# Allegro board WeChat_ZM_PART_20200601.brd (continued)
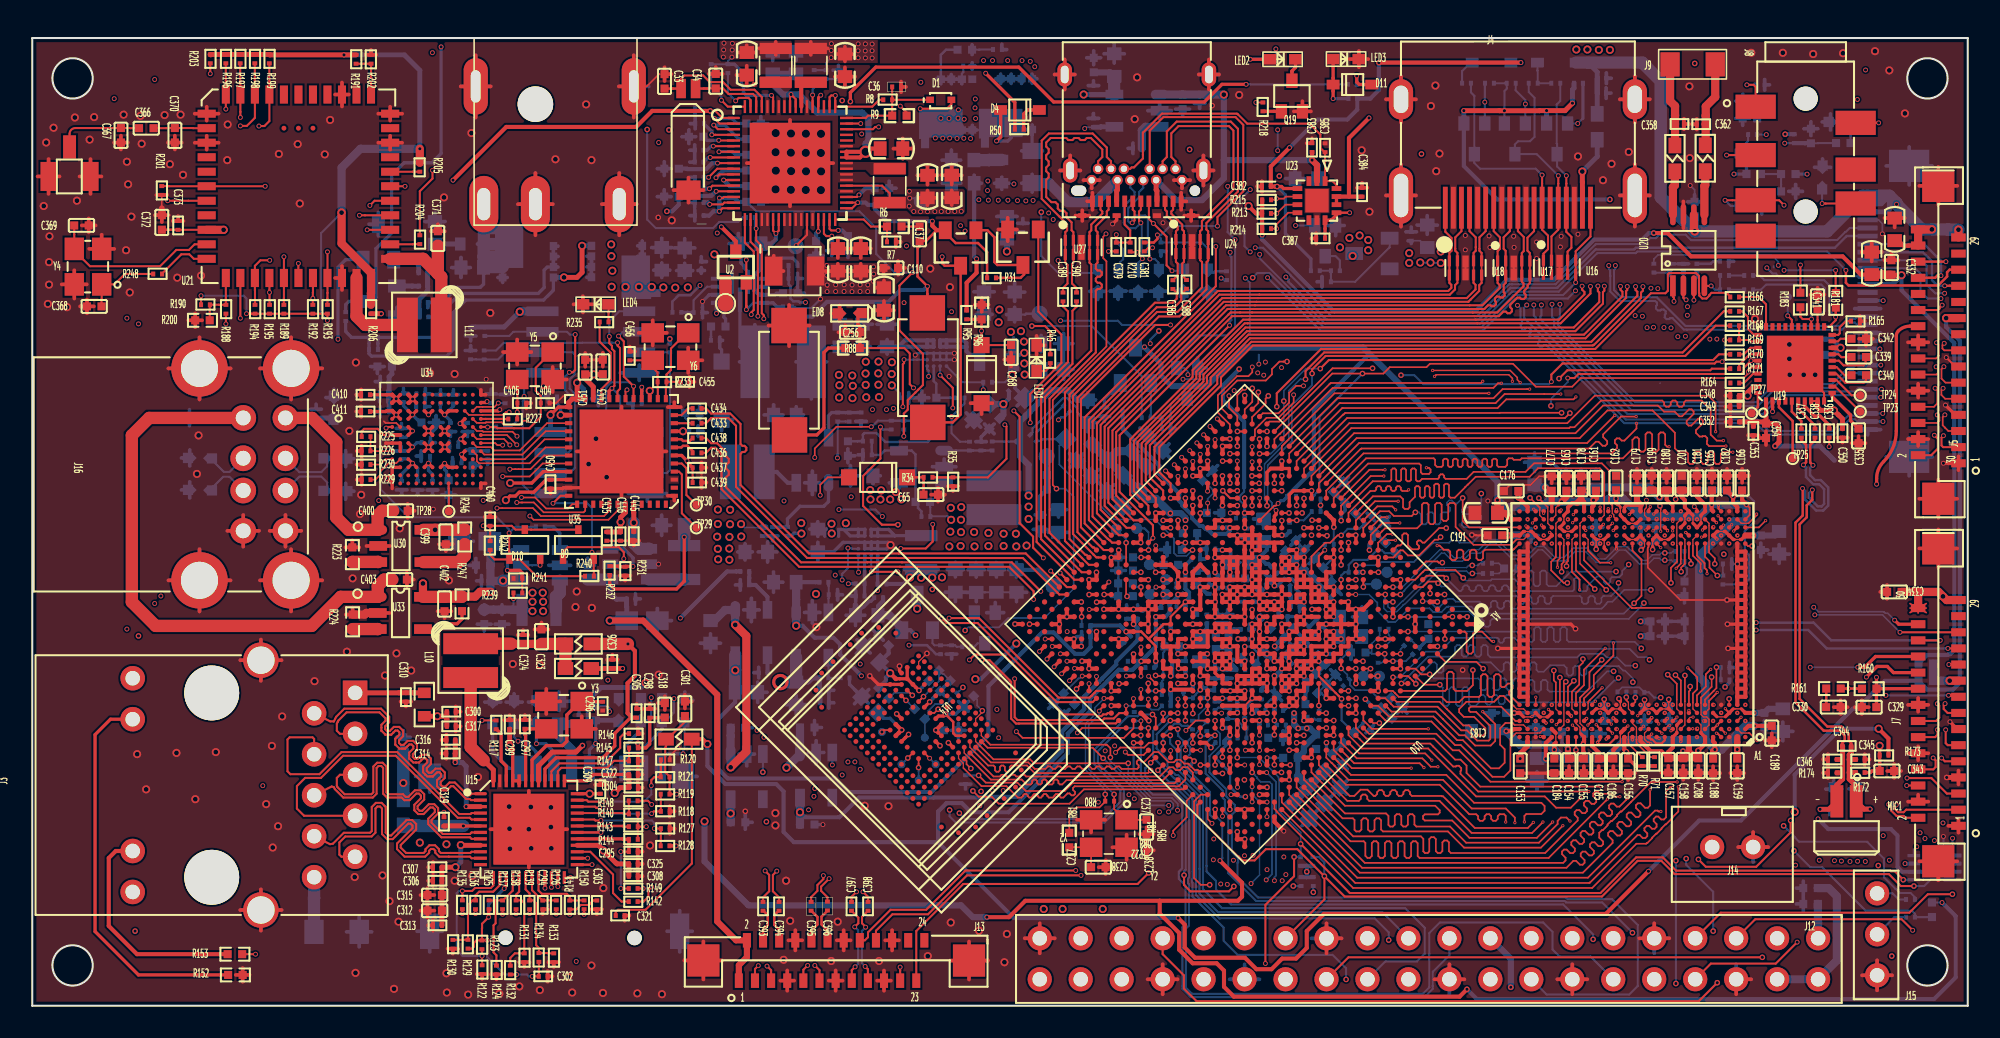
[diagram p0: board, top side]
## Routing (per net, layer and track width the routed paths; a pad name or vN(x,y) marks a point on that pad's centre or on a via; arc(x,y) is an arc through that point) (continued)
  BOTTOM w0.508: v5(43.59,23.62) U7.1 43.58,24.54 42.95,24.54 42.29,23.88 C59.1 ; C49.1 47.36,25.19 47.36,25.19 U5.1 v5(47.36,23.56) ; J12.1 110.72,5.19 110.7,5.2 C391.2 ; C253.1 43.3,16.73 43.3,16.73 U13.1 v5(43.3,14.78)
  vias: v5(47.68,29.93) v5(48.59,25.53) v5(49.55,29.88) v5(49.56,29.28) v5(50.01,39.11) v5(50.04,38.47) v5(50.02,37.71) v5(50.44,29.92) v5(50.84,39.07) v5(50.87,38.43) v5(50.85,37.67) v5(51.68,39.93) v5(51.66,39.2) v5(51.67,38.5) v5(51.71,37.73) v5(51.95,31.97) v5(51.97,31.39) v5(52.47,39.94) v5(52.45,39.21) v5(52.46,38.5) v5(52.5,37.73) v5(52.63,31.95) v5(52.59,31.39) v5(53.19,31.39) v5(53.28,39.17) v5(53.55,31.85) v5(53.89,31.4)
VCC5V0_TYPEC_EN: length 88
  TOP w0.102: v1(73.14,11.31) 72.87,11.58 U10.F31
  SIG1 w0.102: v1(48.13,12.15) 48.13,43.03 48.54,43.44 48.54,47.25 49.89,48.6 49.89,52.31 51.42,53.85 v1(51.42,54.05)
  SIG2 w0.102: v1(48.13,12.15) 48.64,12.15 49.99,10.8 68.65,10.8 68.93,11.08 72.92,11.08 v1(73.14,11.31) ; v1(51.42,54.05) 51.57,54.19 51.57,54.29 52.4,55.12 55.35,55.12 57.13,56.9 62.74,56.9 v1(65.25,54.39)
  BOTTOM w0.102: v1(65.25,54.39) 65.34,54.47 R212.1
  BOTTOM w0.305: U22.4 66.27,54.5 66.24,54.47 R212.1
VCC-WIFI-IO: length 51.7
  TOP w0.127: v1(13.29,42.91) 13.59,42.91 13.6,42.91 R194.1 R195.1 R189.1 R192.1 R193.1 v1(18.3,42.48) ; R190.2 v1(10.46,44.02)
  TOP w0.305: 11.06,58.96 R203.2 R196.2 R197.2 R198.2 R199.2 14.72,58.96 v1(19.33,58.96) R191.2
  TOP w0.508: R206.2 21,44.17 21,44.18 U21.22 21,45.44 19.18,47.26 v5(19.18,49.18) ; R205.1 v1(24.03,53.13)
  BOTTOM w0.127: v1(18.3,42.48) 17.91,42.88 17.91,47.91 v5(19.18,49.18) ; v1(13.29,42.91) 13.29,43.84 13.11,44.02 v1(10.46,44.02)
  BOTTOM w0.305: v1(19.33,58.96) 23.07,58.96 24.03,58 v1(24.03,53.13)
  BOTTOM w0.508: v5(19.18,49.18) 19.18,51.96 20.35,53.13 v1(24.03,53.13)
VCC_0V9: length 58.3
  TOP w0.254: v2(71.03,19.98) 71.22,19.98 U10.T24
  SIG1 w0.127: v1(49.78,26.7) 49.78,26.91 50.88,28.01 50.88,30.94 49.92,31.9 v1(49.92,33.96)
  POWER1 w0.127: v1(49.78,26.7) 49.78,22.26
  POWER1 w0.254: v2(71.03,19.98) 70.73,19.98 70.72,19.99 70.5,19.99 70.05,20.44 70.05,20.68 69.8,20.93 66.98,20.93 64.77,23.14 64.57,23.14 64.52,23.2 v1(64.16,23.2)
  POWER1 w0.381: v5(54.86,24.62) 52.86,24.62 50.5,22.26 49.78,22.26
  POWER1 w0.508: 49.78,22.26 43.31,22.26 42.5,23.06 v5(42.5,28.33)
  SIG2 w0.254: v1(64.16,23.2) 60.6,23.2 59.18,24.62 v5(54.86,24.62)
  BOTTOM w0.102: v5(43.95,29.86) 44.16,29.65 45.24,29.65 C44.1
  BOTTOM w0.127: R11.1 50.43,36.23 50.43,36.23 C42.1 49.94,34.19 49.92,34.18 v1(49.92,33.96)
  BOTTOM w0.229: 44.19,27.64 C43.1 ; C43.1 44.64,28.14 ; C43.1 43.74,28.14 ; C43.1 44.19,28.64 ; 45.26,29.85 C44.1 45.06,29.68
  BOTTOM w0.254: v2(71.03,19.98) 71.36,19.98 C241.1
  BOTTOM w0.356: 45.47,29.68 45.29,29.68
  BOTTOM w0.508: v5(54.86,24.62) Q10.3
  vias: v5(42.51,30.76) v5(42.5,29.87) v5(42.47,29.08) v5(42.53,27.68) v5(43.22,29.07) v5(43.21,28.35) v5(43.22,27.65) v5(43.27,30.75) v5(43.26,29.86) v5(43.96,29.09)
VCC_1V5: length 83.7
  TOP w0.127: U1.2 42.61,54.7 v1(42.3,55.01)
  TOP w0.254: U10.AC8 v2(75.17,30.55) ; U10.N23 v2(73.79,19.06)
  SIG1 w0.127: v2(73.79,19.06) 74.27,19.06 74.58,18.75 74.84,18.75 75.02,18.93 75.32,18.93 75.5,18.75 75.76,18.75 77.78,20.77 77.78,21.03 77.6,21.22 77.6,21.51 77.78,21.69 77.78,21.97 77.16,22.6 77.16,23.16 77.34,23.35 77.6,23.35 77.79,23.53 77.79,24.14 78.38,24.73 78.98,24.73 79.16,24.91 79.16,25.83 79.44,26.1 79.44,26.28 79.16,26.56 79.16,27.01 78.98,27.19 78.06,28.11 77.61,28.11 77.32,28.4 76.88,28.4 76.69,28.58 76.69,29.03 75.34,30.39 v2(75.17,30.55)
  POWER1 w0.254: v2(74.83,39.48) 74.83,44.75 74.61,44.97 74.61,46.47 75.18,47.05 75.18,48.67 74.73,49.13 74.73,52.67 73.87,53.52 62.09,53.52 60.87,52.3 51.49,52.3 51.08,52.7 51.08,53.38 50.94,53.52 50.94,53.53 50.61,53.86 50.05,54.43 49.11,55.37 49.1,55.38 49.05,55.38 48.5,55.38 42.68,55.38 42.51,55.2 42.5,55.2 v1(42.3,55.01)
  BOTTOM w0.127: v2(75.17,30.55) 75.17,30.79 75.13,30.82 75.13,31.06 74.86,31.34 74.86,31.6 75.13,31.88 75.13,32.11
  BOTTOM w0.152: v2(73.79,19.06) 74.16,19.06 C272.1
  BOTTOM w0.203: C24.1 43.69,54.71 43.39,55.01 v1(42.3,55.01)
  BOTTOM w0.254: v2(74.83,39.48) 73.81,38.46 73.81,37.55 75.13,36.23 75.13,32.11 ; v2(73.79,19.06) 73.59,18.87 R100.2 ; v2(75.17,30.55) 75.17,30.24 C274.1
VCC_3V0: length 209.1
  TOP w0.127: v1(42.6,49.26) 42.79,49.45 U1.17 ; U1.15 42.88,50.15 42.81,50.08 v1(42.6,50.08) ; v1(54.58,45.47) 53.76,44.65 53.76,41.87 55.22,40.42 55.22,38.49 54.93,38.19 54.93,38.19 54.76,38.02 54.75,38.02 54.28,37.55 54.28,36.96 54.04,36.72 v1(54.04,35.31)
  TOP w0.254: v2(88.95,1.02) 88.49,0.56 74.5,0.56 73.89,1.17 73.89,2.18 73.43,2.63 71.95,2.63 71.11,3.47 71.11,4.51 69.9,5.72 69.9,6.51 ; 69.9,6.51 61.57,6.51 60.55,5.49 v1(59.18,5.49) ; 69.9,6.51 74.75,6.51 75.01,6.76 75.01,7.63 v1(73.63,9) ; U10.AC9 v2(75.17,29.63) ; U10.P23 v2(72.87,19.08)
  SIG1 w0.127: v2(75.17,29.63) 75.63,29.63 76.48,28.78 76.48,28.49 76.79,28.18 77.08,28.18 78.89,26.37 78.89,25.55 77.6,24.26 77.6,24.26 76.22,22.88 76.22,22.59 77.32,21.49 77.32,21.2 76.89,20.76 76.88,20.76 76.7,20.59 76.68,20.59 75.76,19.67 75.5,19.67 75.25,19.92 75.09,19.92 74.84,19.67 74.58,19.67 74.33,19.92 74.18,19.92 73.74,19.49 73.28,19.49 v2(72.87,19.08)
  SIG1 w0.381: v5(42.29,46.59) 43.18,45.7 43.18,32.11 44.59,30.7 44.59,22.95 40.97,19.33 40.97,13.87 41.68,13.16 v5(41.68,11.44)
  SIG2 w0.254: v1(118.41,6.4) 118.41,7.2 116.8,8.81 v1(116.11,8.81)
  SIG2 w0.381: v1(42.6,49.26) 42.21,49.26 41.91,48.95 41.91,46.97 v5(42.29,46.59)
  BOTTOM w0.102: v2(72.87,19.08) 72.87,18.6 72.31,18.04 72.31,17.75 72.24,17.67 ; 72.15,17.67 72.24,17.67 ; 72.24,17.67 72.58,17.67 72.68,17.57 72.8,17.57 ; R97.2 72.8,17.57 ; 72.8,17.57 72.29,17.06 72.29,17.02 72.11,16.84 72.11,16.77 71.96,16.62 71.84,16.62 71.76,16.54
  BOTTOM w0.127: C26.1 44.57,49.55 44.6,49.55 44.89,49.26 51.28,49.26 52.32,48.21 52.32,46.61 53.47,45.47 54.36,45.47 54.36,45.47 v1(54.58,45.47) ; v1(73.63,9) 73.79,9.15 73.79,11.35 73.47,11.66 73.2,11.66 73.02,11.85 73.02,13.25 71.45,14.83 71.45,15.27 71.79,15.61 71.79,16.01 71.64,16.16 71.64,16.42 71.76,16.54 ; R222.1 v1(118.41,6.4) ; R98.2 72.15,17.67
  BOTTOM w0.152: R26.2 v1(54.04,35.31)
  BOTTOM w0.203: 75.17,29.63 75.21,29.59 C275.1
  BOTTOM w0.254: v2(72.87,19.08) 72.87,19.08 C271.1 ; v2(88.95,1.02) 89.56,0.41 117.91,0.41 119.25,1.76 119.25,5.55 v1(118.41,6.4) ; 75.17,29.63 v2(75.17,29.63) ; C31.2 41.63,48.99 41.97,48.99 42.23,49.26 v1(42.6,49.26) 42.6,49.8 42.6,49.8 v1(42.6,50.08) 43.54,50.08 43.77,49.85 C26.1 ; U29.7 v1(116.11,8.81)
  BOTTOM w0.381: v5(41.68,11.44) 41.68,8.95 44.4,6.23 57.58,6.23 58.32,5.49 v1(59.18,5.49)
VCC_DC: length 27.7
  SIG1 w0.229: 27.99,47.9 J1.1 ; J1.1 27.04,49.7 ; J1.1 28.95,49.7 ; J1.1 27.99,51.5
  BOTTOM w0.127: R51.1 58.72,59.29 58.71,59.28 C84.2
  BOTTOM w0.203: R38.1 25.06,42.71 25.26,42.91 25.26,43.43 26.37,44.54 27.78,44.54 27.98,44.75 C70.1
  BOTTOM w0.229: 29.16,45.5 Q3.6 ; Q3.6 29.45,45.8 ; Q3.6 29.16,46.1 ; Q7.4 62.29,57.48 ; Q7.4 61.99,57.76 ; Q7.4 61.99,57.19 ; R49.2 58.45,58.26 ; R49.2 58.1,58.26 ; R49.2 58.28,58.47 ; R49.2 58.28,58.06 ; 29.24,47.53 Q3.8 28.89,47.1 ; Q3.5 29.45,45.15 ; Q3.5 29.16,44.85 ; Q3.5 29.16,45.45 ; Q3.5 28.88,45.15 ; 27.98,46.27 C70.1 28.43,45.77 ; 58.27,58.97 C84.2 58.27,59.58 ; 29.16,46.15 Q3.7 ; Q3.7 29.45,46.45 ; Q3.7 29.16,46.75 ; 27.61,47.23 R37.1 27.98,47.68
  BOTTOM w0.762: 27.98,46.47 27.98,45.77 ; 27.98,46.47 28,46.45 Q3.7 ; 27.98,46.47 R37.1 ; 27.98,45.77 28.01,45.8 Q3.6 ; 27.98,45.77 C70.1 ; R37.1 27.99,47.24 J1.1 ; R37.1 29.11,47.23 Q3.8
  vias: v1(55.09,57.26) v1(58.98,58.6) v1(59.54,58.6) v1(60.48,58.6) v1(61.37,58.6) v1(61.87,58.55) v1(62.15,58.22)
VCC_DDR: length 159.9
  TOP w0.076: 96.01,16.86 95.96,16.91 95.96,17.26 95.71,17.51 U11.C22 ; U11.C7 103.46,17.41 103.46,16.96 ; 94.59,17.53 94.59,17.53 ; 94.59,17.53 U11.C24 ; 94.59,17.53 94.59,17.53 ; 95.4,29.41 95.02,29.41 ; 102.96,30.41 102.96,29.92 ; 103.22,29.66 103.22,29.76 ; 103.46,29.97 103.46,30.35 ; 94.59,17.53 v3(94.49,17.43) ; 102.46,30.35 102.46,29.97 ; 94.96,29.97 94.96,30.35 ; 101.96,17.35 101.96,16.97
  TOP w0.203: U11.AG9 102.46,29.91 102.46,29.97 ; U11.AJ8 102.96,30.41 ; U11.AJ8 102.46,30.91 ; U11.AJ8 102.46,30.41 102.46,30.35 ; U11.C9 101.96,17.41 101.96,17.35 ; U11.A21 96.01,16.86 ; 95.21,30.9 U11.AJ23 94.96,30.41 94.96,30.35 ; 103.71,31.07 103.71,30.92 103.71,30.92 U11.AJ6 103.46,30.41 103.46,30.35 ; C156.1 98.96,15.32 99.42,14.86 99.82,14.86 R70.2 100.33,14.87 100.33,14.86 R71.2 ; U11.A10 101.96,16.91 101.96,16.97 ; U11.AJ10 101.71,31.01 101.33,31.39 ; 103.46,29.97 103.46,29.91 U11.AG7 ; U11.AJ25 94.21,31.22 94.2,31.23 ; 102.96,29.92 103.22,29.66 ; 94.96,29.97 94.96,29.91 U11.AG24 94.96,29.41 95.02,29.41 ; 99.11,31.05 98.87,31.05 98.71,30.9 98.71,30.76 98.71,30.76 U11.AJ16 ; U11.AG22 95.46,29.41 95.4,29.41 ; U11.A6 103.46,16.91 103.46,16.96
  TOP w0.229: C11.1 50.39,59.46 ; C11.1 50.39,58.56 ; C11.1 50.89,59.01 ; C11.1 49.89,59.01 ; 48.27,58.96 L4.2 ; L4.2 49.32,59.36 ; L4.2 48.27,59.76
  TOP w0.254: 79.31,21.82 U10.J13 ; U10.J13 79.8,21.82 v2(80.22,21.82) 80.22,22.28 U10.J12 ; U10.J13 79.77,21.82 v2(79.77,21.36) 79.34,21.36 79.34,21.36 U10.J14 ; v2(77.47,27.34) U10.V9 77.63,27.8 77.63,27.79 v2(77.93,27.79) 77.93,27.34 U10.U9 ; v2(77.47,27.34) 77.51,27.34 77.51,27.34 U10.U9 ; v2(77.47,27.34) 77.47,27.34 77.47,26.88 U10.U10 77.5,26.88 77.5,26.88 v2(77.93,26.88) ; U10.J12 U10.K11 80.26,23.2 v2(80.68,23.2) 80.68,22.74 U10.J11 ; U10.J12 80.26,22.28 v2(80.68,22.28) 80.68,22.74 U10.J11 ; U10.J12 U10.K13 U10.J14 ; 78.39,26.41 78.85,26.41 U10.R9 ; 78.39,26.41 U10.T9 ; 78.39,26.41 U10.R10 78.39,25.96 78.85,25.96 ; 102.46,30.91 102.46,31.35 102.27,31.54 C201.1 ; U10.R9 78.85,26.42 v2(78.85,26.88) U10.T9 ; U10.R9 78.85,25.96 ; U10.R9 78.88,26.42 79.31,26.42 79.31,25.96 79.31,25.96 ; U11.A23 95.21,16.2 95.21,16.2 v1(95.21,15.92) ; 78.85,25.96 79.31,25.96 ; v2(80.23,24.57) 80.22,24.58 80.22,25.03 U10.M9 ; v2(80.23,24.57) U10.L10 80.23,24.12 v1(80.69,24.12) U10.L9 ; v2(80.23,24.57) 80.68,24.57 U10.L9 ; U10.J11 80.72,22.74 v2(81.14,22.74) ; U10.J11 v2(80.22,22.74) ; 78.85,21.36 79.31,21.36 U10.J14 ; 78.85,21.36 78.85,20.93 78.85,20.93 U10.J15 ; 78.85,21.36 78.42,21.36 78.42,21.36 U10.K15 78.39,21.33 78.39,21.33 v2(78.39,20.9) ; U10.T9 v2(77.93,26.88) ; U10.T9 78.39,26.88 v2(78.39,27.34) 77.96,27.34 U10.U9 ; v2(77.93,20.44) v2(77.93,19.52) 77.47,19.52 U10.J18 U10.K17 77.5,20.44 77.5,20.44 v2(77.93,20.44) ; v2(77.93,20.44) U10.J16 v2(78.85,20.44) 78.85,20.9 U10.J15 ; U10.J14 79.31,21.36 v2(79.31,20.9) 78.88,20.9 U10.J15 ; U11.A28 92.71,16.39 92.71,16.39 ; U10.P9 79.31,25.51 ; U10.P9 79.34,25.96 v2(79.77,25.96) 79.77,25.5 ; U10.P9 79.31,25.96 ; 79.31,25.51 U10.N10 79.34,25.04 79.77,25.04 ; 79.31,25.51 79.75,25.51 79.77,25.5 ; v2(78.39,20.9) v2(78.39,19.98) 77.96,19.98 U10.J17 v2(77.47,19.98) ; v2(78.39,20.9) U10.J15 ; 79.77,25.5 U10.N9 ; 99.11,31.05 99.71,31.05 ; v2(77.93,26.88) 77.93,27.3 77.93,27.31 U10.U9 ; 103.71,31.07 103.2,31.58 C181.1 ; U10.N9 79.77,25.47 79.77,25.47 79.77,25.04 ; U10.N9 79.8,25.5 80.22,25.5 80.22,25.07 80.23,25.07 U10.M9 ; U11.A6 103.71,16.24 v2(103.29,15.82) ; v2(93.84,15.31) 93.84,16.29 U11.A25 ; C182.1 105.08,31.94 105.44,31.58 v2(105.45,31.58) 105.45,31.18 105.71,30.92 U11.AJ2 ; U10.M9 80.26,25.04 v2(80.68,25.04) 80.68,24.61 80.69,24.61 U10.L9 ; U10.M9 79.77,25.04 ; C156.1 98.95,15.64 v2(98.83,15.75) 98.71,15.88 98.71,16.62 98.71,16.63 U11.A16 ; U10.L9 80.69,24.58 ; C155.1 96.2,15.7 96.16,15.74 v2(96.16,16.21) 96.16,16.31 96.21,16.35 U11.A21 ; 95.21,30.9 95.49,31.17 95.78,31.17 ; 102.71,16.05 U11.A8 ; U11.AJ14 99.71,31.05 ; U11.A14 99.71,16.63 99.71,16.62 99.71,16.41 100.35,15.78 101,15.78 C157.1 101.43,15.74 101.71,16.02 U11.A10 ; C178.1 v2(96.41,31.93) ; v2(92.14,31.51) 92.71,30.94 U11.AJ28 ; 96.04,31.43 96.21,31.25 U11.AJ21 ; C180.1 101.33,31.39
  TOP w0.305: v2(92.25,15.32) 92.25,15.65 92.71,16.11 92.71,16.39
  TOP w0.381: 100.89,31.96 C180.1 C201.1 C181.1 ; 100.89,31.96 C199.1 C179.1 99.49,31.27 99.71,31.05 ; 100.89,31.96 v2(100.89,31.53) ; C159.1 v2(105.71,15.88) 105.71,16.33 105.71,16.33 U11.A2 ; C157.1 C158.1 103.13,15.35 ; 102.71,16.05 102.71,15.77 103.13,15.35 ; v2(103.29,15.82) C208.1 103.13,15.35 ; C155.1 C154.1 95.21,15.39 v1(95.21,15.92) ; C176.1 v2(92.14,31.51) ; 94.2,31.23 C177.1 94.01,31.93 v2(93.8,32.14) ; 95.78,31.17 96.04,31.43 C178.1
  POWER1 w0.127: v2(100.96,19.11) 101.25,19.39 102.96,19.39 103.34,19.77 104.57,19.77 v2(104.95,19.77) ; v3(94.49,17.43) 94.8,17.11 94.8,17.09 94.92,16.97
  POWER1 w0.203: v2(104.95,19.77) 104.95,19.48 104.59,19.12 104.31,19.12 103.89,18.69 103.89,16.41 103.74,16.27 103.74,16.26 v2(103.29,15.82)
  POWER1 w0.254: v2(93.84,15.31) 93.84,16.76 93.88,16.79 93.88,16.82 v3(94.49,17.43)
  POWER1 w0.508: v2(105.71,15.88) 104.92,15.09 104.02,15.09 v2(103.29,15.82) ; v2(102.35,15.78) 99.29,15.78 99.26,15.75 v2(98.83,15.75) ; v2(96.41,31.93) 95.99,31.93 95.78,32.14 v2(93.8,32.14) 92.76,32.14 92.33,31.71 92.33,31.71 v2(92.14,31.51)
  BOTTOM w0.102: R69.2 98.56,19.74 99.64,19.74 R68.2 ; 93.31,32.14 C175.1 ; v1(49.53,58.79) 49.22,58.47 C10.2
  BOTTOM w0.127: v2(105.45,31.58) 106.45,31.58 106.76,31.27 106.76,30 106.17,29.42 106.17,28.22 106.45,27.95 106.45,26.45 106.13,26.13 R72.2 ; R68.2 100.23,19.44 100.56,19.11 v2(100.96,19.11) ; C205.1 94.92,16.97 ; R2.2 48.88,58.01 48.88,58.01 C10.2 ; C228.1 77.94,19.98 v2(78.39,19.98)
  BOTTOM w0.203: v2(79.77,25.96) 79.91,25.81 C223.1 ; 83.21,28.94 82.91,28.63 82.91,28.61 ; v2(80.22,21.82) 79.76,21.82 C233.1 ; C227.1 80.99,22.89 v2(80.68,23.2) ; R66.2 105.23,20.04 v2(104.95,19.77) ; v2(82.65,19) 82.85,18.81 83.17,18.48 R74.1 83.88,18.23 C210.1 ; C205.1 94.84,16.29 v1(95.21,15.92) ; C212.1 R75.1 ; C235.1 78.91,21.25 79.06,21.25 C234.1 79.63,21.82
  BOTTOM w0.254: C226.1 80.7,21.82 v2(80.22,21.82) ; C231.1 80.16,21.14 C232.1 ; C231.1 79.31,20.88 v2(79.31,20.9) ; C231.1 C230.1 ; C221.1 78.85,27.08 C222.1 79.42,26.52 79.97,25.96 79.97,25.96 v2(79.77,25.96) ; v2(78.85,20.44) 78.85,20.22 C230.1 ; v2(80.68,25.04) 80.53,25.19 C224.1 ; v1(80.69,24.12) 81.02,24.12 C218.1 ; v2(78.39,19.98) 78.39,19.95 ; C230.1 79.04,19.54 78.94,19.44 C229.1 ; v2(96.16,16.21) 96.16,16.31 96.21,16.35 96.21,16.49 96.22,16.49 C206.1 ; C225.1 80.23,24.87 v2(80.23,24.57) ; v2(77.93,26.88) 77.71,27.09 77.71,27.09 v2(77.47,27.34) 77.47,27.97 C219.1 ; 82.91,28.61 v2(82.91,28.25) ; C207.1 103.29,15.36 v2(103.29,15.82) ; v2(78.39,27.34) 78.39,27.52 C220.1 78.12,27.79 v2(77.93,27.79) ; v2(77.47,19.98) 77.51,19.98 77.93,19.56 v2(77.93,19.52) ; C200.1 C198.1 ; C212.1 83.21,28.94 ; v2(78.85,26.88) 78.62,26.88 ; 79.63,21.82 C233.1
  BOTTOM w0.305: C232.1 79.96,21.16 v2(79.77,21.36)
  BOTTOM w0.381: C207.1 C158.1 102.35,15.36 v2(102.35,15.78) ; C204.1 96.95,31.93 v2(96.41,31.93) ; v2(100.89,31.53) C203.1 C202.1 105.05,31.96 105.18,31.84 105.2,31.84 v2(105.45,31.58)
  BOTTOM w0.508: v2(93.8,32.14) 93.16,32.14 93.14,32.12 ; v2(100.89,31.53) 100.28,32.14 97.33,32.14 97.32,32.15 96.61,32.15 96.41,31.95 v2(96.41,31.93) 96.04,31.93 C198.1 ; v2(93.84,15.31) 93.32,15.31 C152.1
  vias: v1(49.55,59.65) v1(49.54,59.23) v1(51.21,59.64) v1(51.2,59.21) v1(51.21,58.78) v1(51.65,59.2) v1(51.65,59.63) v1(51.65,58.77) v1(52.07,59.63) v1(52.07,59.21) v1(52.07,58.76) v5(81.08,47.02) v5(81.66,47.6) v5(81.86,46.49) v5(82.3,47.76) v5(82.83,47.48) v5(82.83,46.84)
VCC_DDRC: length 53.8
  TOP w0.076: 100.46,28.85 100.46,28.85 100.46,28.46 ; 104.44,17.92 104.46,17.91 104.96,17.91 104.98,17.92 ; 101.4,28.91 101.02,28.91 ; 101.02,18.41 101.02,18.41 101.4,18.41 ; 92.52,29.41 92.52,29.41 92.9,29.41 ; 100.4,18.41 100.02,18.41 ; v3(92.99,17.94) 93.21,18.16 U11.D27 ; 92.96,17.91 92.46,17.91 ; 104.91,29.41 104.9,29.41 104.52,29.41 104.52,29.41 ; 105.9,28.91 105.52,28.91 ; 97.02,28.91 97.4,28.91 ; 98.46,18.85 98.46,18.47 ; 105.46,18.41 105.96,18.41 ; 99.84,28.35 99.96,28.47 99.96,28.85 ; 98.4,18.41 98.02,18.41 ; 97.46,18.85 97.46,18.47 ; 96.96,28.91 96.96,28.47 ; 101.46,18.85 101.46,18.46 ; 99.4,28.91 99.02,28.91 ; 97.46,28.47 97.46,28.91 ; 93.9,28.91 93.52,28.91 ; 93.9,17.91 93.52,17.91 ; 99.96,18.85 99.96,18.47 ; 97.4,18.41 97.02,18.41
  TOP w0.127: 93.21,18.16 U11.D27 ; U11.D25 94.01,18.36 v3(94.01,18.37) ; v6(104.55,31.02) 104.55,30.82 U11.AJ4 ; U11.A4 104.47,16.9 v3(104.42,16.9) ; U11.AJ19 97.21,30.91 v3(97.21,30.92) ; v3(93.5,16.69) 93.68,16.69 U11.A26 ; U11.AJ26 93.71,30.55 v3(93.7,30.54) ; U11.AJ13 100.21,30.77 100.32,30.88 v3(100.32,30.94) ; v3(94.08,29.35) 94.09,29.35 94.09,29.34 94.11,29.34 94.21,29.24 U11.AF25 ; v3(100.41,16.85) 100.4,16.85 U11.A13 100.35,16.52 100.43,16.52 100.69,16.26 101.02,16.26 101.21,16.46 U11.A11 ; v3(104.97,18.42) 104.97,18.4 105.21,18.16 U11.D3 ; v3(98.22,30.76) 98.22,30.74 98.21,30.73 U11.AJ17 ; U11.A19 97.21,16.51 v3(97.04,16.34) 97.18,16.2 97.75,16.2 U11.A17
  TOP w0.152: 92.96,17.91 92.96,17.91 v3(92.99,17.94)
  TOP w0.203: 100.4,18.41 100.46,18.41 U11.D12 100.96,18.41 101.02,18.41 ; 98.02,18.41 97.96,18.41 U11.D18 97.46,18.41 ; v2(97.46,19) 97.46,18.85 ; v3(104.44,28.94) 104.22,29.16 U11.AF5 104.47,29.41 104.52,29.41 ; 104.98,17.92 U11.D3 105.46,18.41 ; 101.46,18.46 101.46,18.41 ; 101.46,18.41 U11.D10 ; 101.46,18.41 101.4,18.41 ; 93.9,17.91 93.96,17.91 U11.D25 ; 97.02,18.41 96.96,18.41 U11.D20 ; U11.AJ11 101.22,30.66 v3(101.35,30.54) ; 99.4,28.91 99.46,28.91 U11.AF14 99.71,29.1 99.96,28.85 ; 92.9,29.41 92.96,29.41 U11.AF27 93.46,28.91 93.52,28.91 ; 98.46,18.41 98.4,18.41 ; 98.46,18.41 98.46,18.47 ; 98.46,18.41 U11.D16 ; U11.AF16 98.96,28.91 99.02,28.91 ; v2(99.75,28.25) 99.84,28.35 ; 100.46,28.85 100.46,28.91 U11.AF12 100.96,28.91 101.02,28.91 ; 93.9,28.91 93.96,28.91 U11.AF25 ; 97.4,28.91 97.46,28.91 U11.AF18 ; 92.46,17.91 U11.D29 ; 100.02,18.41 99.96,18.41 ; 99.96,18.41 99.96,18.47 ; 99.96,18.41 U11.D14 ; 92.52,29.41 92.46,29.41 U11.AF29 ; 97.02,28.91 96.96,28.91 U11.AF20 ; v2(99.96,18.97) 99.96,18.85 ; 98.46,18.85 98.46,18.95 v2(98.37,19.04) ; v2(100.46,28.28) 100.46,28.46 ; 96.96,28.47 v2(96.96,28.3) ; U11.D27 93.46,17.91 93.52,17.91 ; 97.46,18.47 97.46,18.41 ; 97.46,18.41 97.4,18.41 ; U11.AF1 105.96,28.91 105.9,28.91 ; 104.91,29.41 104.96,29.41 U11.AF3 105.46,28.91 105.52,28.91 ; v2(101.46,18.99) 101.46,18.85 ; U11.D1 105.96,18.41 ; 97.6,28.23 97.46,28.37 97.46,28.47 ; U11.AF10 101.46,28.91 101.4,28.91 ; U11.D5 104.44,17.92
  TOP w0.254: v2(91.88,18.16) 92.13,18.16 92.13,18.16 U11.D29 ; U11.AF29 92.21,29.16 91.72,29.16 ; U11.D1 v1(106.75,18.16)
  TOP w0.381: 91.72,29.16 v2(91.49,29.16) C191.1 ; U11.AF1 v2(106.7,29.16)
  GND1 w0.203: v2(106.7,29.16) 106.7,29.78 105.46,31.02 v6(104.55,31.02)
  SIG1 w0.203: 104.47,28.91 104.68,28.7 104.68,28.19 v2(104.88,28)
  POWER1 w0.127: 92.87,29.16 93.06,29.16 93.22,29 93.22,28.99 ; 92.87,29.16 92.83,29.16 ; 92.87,29.16 92.81,29.22 ; 92.83,29.16 92.74,29.06 ; 92.83,29.16 92.79,29.16 ; 99.72,18.17 99.65,18.1 99.65,18.1 v3(99.54,17.98) ; 93.07,18.29 93.34,18.29
  POWER1 w0.152: 93.34,18.29 v3(92.99,17.94)
  POWER1 w0.508: 106.26,29.16 106.27,29.16 v2(106.7,29.16)
  BOTTOM w0.102: C86.1 86.06,47.43 C87.1 ; v5(87.33,46.06) 86.38,46.06 86.36,46.08 v5(86.06,46.08)
  BOTTOM w0.203: v2(100.46,28.28) 100.46,28.66 C197.1 ; C174.1 99.96,18.51 v2(99.96,18.97) ; C194.1 101.46,18.58 v2(101.46,18.99) ; v2(96.96,28.3) 96.96,28.75 C172.1 ; C170.1 93.21,18.16 v2(91.88,18.16) ; C193.1 99.75,28.85 v2(99.75,28.25) ; C171.1 97.46,18.57 v2(97.46,19)
  BOTTOM w0.229: 85.3,47.43 C87.1 85.5,47.26
  BOTTOM w0.254: C196.1 C173.1 ; v2(91.49,29.16) C195.1
  BOTTOM w0.381: C190.1 108.06,29.16 C192.1 107.17,29.16 v2(106.7,29.16) ; v1(106.75,18.16) 107.39,18.16 C169.1 107.64,18.41 C167.1 ; C196.1 100,22.91 100,22.92 v2(99.72,22.92) ; C173.1 v2(99.72,23.83) ; C168.1 91.4,18.16 v2(91.88,18.16)
  vias: v5(85.37,46.67) v5(85.37,46.06) v5(86.69,46.08) v5(87.33,46.77)
VCC_EFUSE: length 31.4
  TOP w0.254: U10.AD23 v2(68.28,23.65)
  BOTTOM w0.254: v5(47.6,12) 47.91,11.69 50.04,11.69 51.26,12.91 55.88,12.91 55.89,12.91 58.98,12.91 59.03,12.96 61.01,12.96 63.86,15.8 63.86,17.02 65.23,18.39 65.23,19.18 65.66,19.62 65.67,19.62 66.12,20.06 66.13,20.06 66.33,20.27 66.33,20.29 67.21,21.16 67.21,21.34 68.53,22.66 68.53,23.4 v2(68.28,23.65) 68.53,23.91 C242.1 68.25,24 R82.1
  BOTTOM w0.508: 47.6,13.03 47.6,13.03 U12.5 v5(47.6,12) C246.1
VCC_RTC: length 11
  TOP w0.127: U1.9 42.7,52.25 42.7,52.24 v1(42.49,52.24)
  TOP w0.254: v1(42.72,48.29) 43.62,47.39 U2.3
  SIG1 w0.254: v1(42.49,52.24) 42.21,52.24 41.27,51.31 41.27,49.26 42.04,48.49 42.53,48.49 v1(42.72,48.29)
  BOTTOM w0.254: v1(42.49,52.24) 42.33,52.24 42.15,52.24 41.78,51.87 40.62,51.87 40.59,51.9 C32.1
VCC_SDIO: length 56.8
  TOP w0.127: U1.12 v1(42.86,51.2)
  TOP w0.254: U10.T23 v2(71.96,19.98)
  SIG1 w0.254: v1(42.86,51.2) 43.56,50.5 43.56,48.3 46.14,45.73 46.14,33.01 46.61,32.54 v1(46.61,31.3)
  SIG2 w0.254: v2(71.96,19.98) 71.96,20.63 71.25,21.34 70.31,21.34 68.71,22.94 68.71,25.2 66.49,27.41 62.1,27.41 62.09,27.4 50.33,27.4 48.59,29.14 48.59,30.35 47.65,31.29 46.89,31.29 46.89,31.3 v1(46.61,31.3)
  BOTTOM w0.254: C20.1 43.24,50.82 v1(42.86,51.2) ; v2(71.96,19.98) C250.1
VCCA0V9_S3: length 78.1
  TOP w0.254: U10.AA16 72.87,25.95 v2(72.41,25.95) U10.AA17 U10.Y18 ; U10.Y18 72.42,24.57 ; U10.Y18 v2(71.95,24.58) 71.95,24.12 U10.Y19 ; v2(70.58,20.45) U10.V24 70.12,20.9 70.12,20.9 U10.W24 ; U10.Y22 70.58,22.75 v2(70.58,23.2) U10.Y21 ; v2(74.76,22.74) U10.R17
  SIG1 w0.254: v2(70.58,20.45) 70.58,20.75 70.58,20.75 70.58,21.74 70.2,22.12 70.2,22.44 70.58,22.82 v2(70.58,23.2) 68.99,23.2 67.67,21.87 64.77,21.87 63.55,23.09 62.17,23.09 62.14,23.07 61.62,23.07 v5(61.01,22.46)
  POWER1 w0.381: v8(46.38,20.07) 47.61,21.29 50.62,21.29 52.98,23.65 55.07,23.65 v5(58.47,20.25)
  SIG2 w0.127: v2(80.24,16.31) 79.33,17.22 79.33,19.5 75.74,23.09 75.11,23.09 v2(74.76,22.74) ; v2(72.41,25.95) 72.88,25.95 73.47,25.37 74.1,24.73 74.11,24.73 74.12,24.72 74.38,24.72 74.56,24.91 74.56,25.01 74.73,25.18 74.84,25.18 75.02,25.37 75.02,25.47 75.19,25.64 75.3,25.64 75.48,25.83 75.48,25.93 75.65,26.1 75.76,26.1 75.94,26.29 75.94,26.39 78.13,28.58 80.65,28.58 80.84,28.77 80.84,29.29 81.02,29.48 81.03,29.48 81.15,29.61 v2(81.15,30.08)
  SIG2 w0.254: v2(70.58,23.2) 71.74,24.35 71.74,24.37 v2(71.95,24.58) 72.97,23.55 72.97,23.04 73.28,22.74 v2(74.76,22.74)
  BOTTOM w0.203: R79.1 80.85,15.85 80.84,15.85 C216.1 80.24,15.96 v2(80.24,16.31) ; v2(81.15,30.08) 81.15,30.46 81.39,30.7 R76.1
  BOTTOM w0.254: C257.1 C262.1 70.62,20.45 v2(70.58,20.45) ; C240.1 74.92,22.74 v2(74.76,22.74) ; C214.1 80.94,31.59 80.96,31.59 R76.1 ; v5(58.47,20.25) 58.8,20.25 v5(61.01,22.46) ; C265.1 70.58,23.52 v2(70.58,23.2) ; C259.1 72.21,24.32 v2(71.95,24.58) ; C284.1 72.3,26.07 v2(72.41,25.95) 72.83,25.54 C283.1
  BOTTOM w0.305: C51.1 48.09,20.07 48.14,20.13 48.18,20.13 48.38,20.33 R16.1 48.8,19.6 C50.1 C52.1
  BOTTOM w0.762: v8(46.38,20.07) C51.1 47.36,20.07 U5.5
VCCA1V8_CODEC: length 126.8
  TOP w0.127: v1(42.56,53.66) 42.57,53.65 U1.5 ; U19.9 U19.8
  TOP w0.254: v2(77.48,29.17) U10.Y8 77.01,29.63 U10.AA8
  TOP w0.305: U19.9 110.69,37.1 110.88,36.91 v5(111.7,36.91) 111.99,36.63 111.99,36.63 112.24,36.38 C350.1 ; U19.39 106.72,38.4 106.35,38.02 v5(106.35,37.83) C348.1 C349.1 ; U19.18 v5(112.12,40.8)
  SIG1 w0.254: v2(77.32,51.44) 77.32,52.05 ; 77.32,52.05 74.83,52.05 73.79,53.09 v2(71.75,53.09) ; 77.32,52.05 82.93,52.05 83.69,52.81 v2(86.13,52.81)
  POWER1 w0.152: 80.3,30.6 80.3,29.67 79.81,29.17 v2(79.31,29.17)
  POWER1 w0.254: 80.3,30.6 80.3,43.12 78.92,44.51 78.92,49.84 v2(77.32,51.44) ; v2(86.13,52.81) 87.5,54.18 106.35,54.18 106.73,54.56 108.15,54.56 v2(108.68,54.04) 110.51,54.04 111.35,53.19 111.35,41.56 v5(112.12,40.8)
  SIG2 w0.254: v1(42.56,53.66) 42.93,53.66 44.35,55.07 49.01,55.07 50.38,53.7 52.19,53.7 53.34,54.86 55.47,54.86 57.24,56.63 62.32,56.63 65,53.95 70.89,53.95 v2(71.75,53.09) ; v2(77.48,29.17) v2(79.31,29.17)
  BOTTOM w0.203: v1(42.56,53.66) 41.83,53.66 C19.1
  BOTTOM w0.254: C276.1 77.72,29.17 v2(77.48,29.17) ; v2(108.68,54.04) 109.24,54.04 R179.1 ; v5(112.12,40.8) 111.58,41.33
  BOTTOM w0.305: 111.58,41.33 C351.1 ; v5(112.12,40.8) 111.67,40.35 C347.1
VCCA1V8_S3: length 65.9
  TOP w0.127: v2(71.49,25.04) 70.58,24.12 U10.AA21
  TOP w0.152: 69.21,22.74 69.21,22.74 70.13,23.66 U10.AA21 ; 69.21,22.74 69.66,22.29 U10.Y24 ; 69.21,22.74 68.75,23.2 U10.AC24
  TOP w0.254: U10.AC24 v2(67.82,23.2) ; U10.U24 v2(71.5,20.44) ; U10.Y24 v2(69.66,21.37) ; 75.17,21.82 U10.P18 v2(75.17,22.27) ; U10.AD16 v2(71.5,26.88) ; U10.AA18 v2(71.49,25.04)
  POWER1 w0.152: v2(69.66,21.37) 69.91,21.37 70.34,20.93 70.55,20.93 71.04,20.44 v2(71.5,20.44)
  SIG2 w0.127: 73.76,21.34 73.48,21.06
  SIG2 w0.152: 73.48,21.06 73.27,20.85 73.27,19.63 73.05,19.41 72.74,19.41 72.49,19.16 71.61,19.16 71.36,19.41 71.36,20.03 71.5,20.17 v2(71.5,20.44) ; 73.76,21.34 73.77,21.34 74.12,21.69 74.59,21.69 v2(75.17,22.27)
  BOTTOM w0.127: C239.1 76.01,21.33 76.01,21.84 75.59,22.27 v2(75.17,22.27)
  BOTTOM w0.254: C60.1 43.58,18.82 42.55,17.79 42.55,14.66 43.12,14.09 49.8,14.09 50.63,13.25 55.77,13.25 59.28,16.77 59.28,19.82 62.61,23.14 63.32,23.14 64.64,21.82 65.2,21.82 65.61,22.23 C260.1 65.61,23.03 65.6,23.04 65.6,23.3 65.61,23.3 R87.2 67.44,23.58 v2(67.82,23.2) 67.82,23.19 C263.1 ; 71.49,27.34 U10.AD16 v2(71.5,26.88) 71.5,25.85 71.72,25.62 71.72,25.26 v2(71.49,25.04) 71.49,24.74 C266.1 ; 71.49,27.34 71.54,27.34 71.86,27.67 C281.1 ; 71.49,27.34 C282.1 ; C255.1 71.5,20.81 v2(71.5,20.44) ; v2(69.66,21.37) 69.66,21.05 C258.1
  BOTTOM w0.762: U7.5 v5(43.59,20.8) 43.59,19.44 C60.1
